# Altium PCB HEXCORE PCB.PcbDoc (part 2 of 2)
Units mil, origin at the board's own origin, x right, y up, seen from the top; angles counter-clockwise.
Board outline 3900 x 3400 mil, 4 copper layers (Top Layer, Int1 (GND), Int2 (PWR), Bottom Layer), stack 62.449 mil thick; 118 components, 104 nets, 517 pads, 205 vias.
Unrouted connection lines stored in the file: 8.
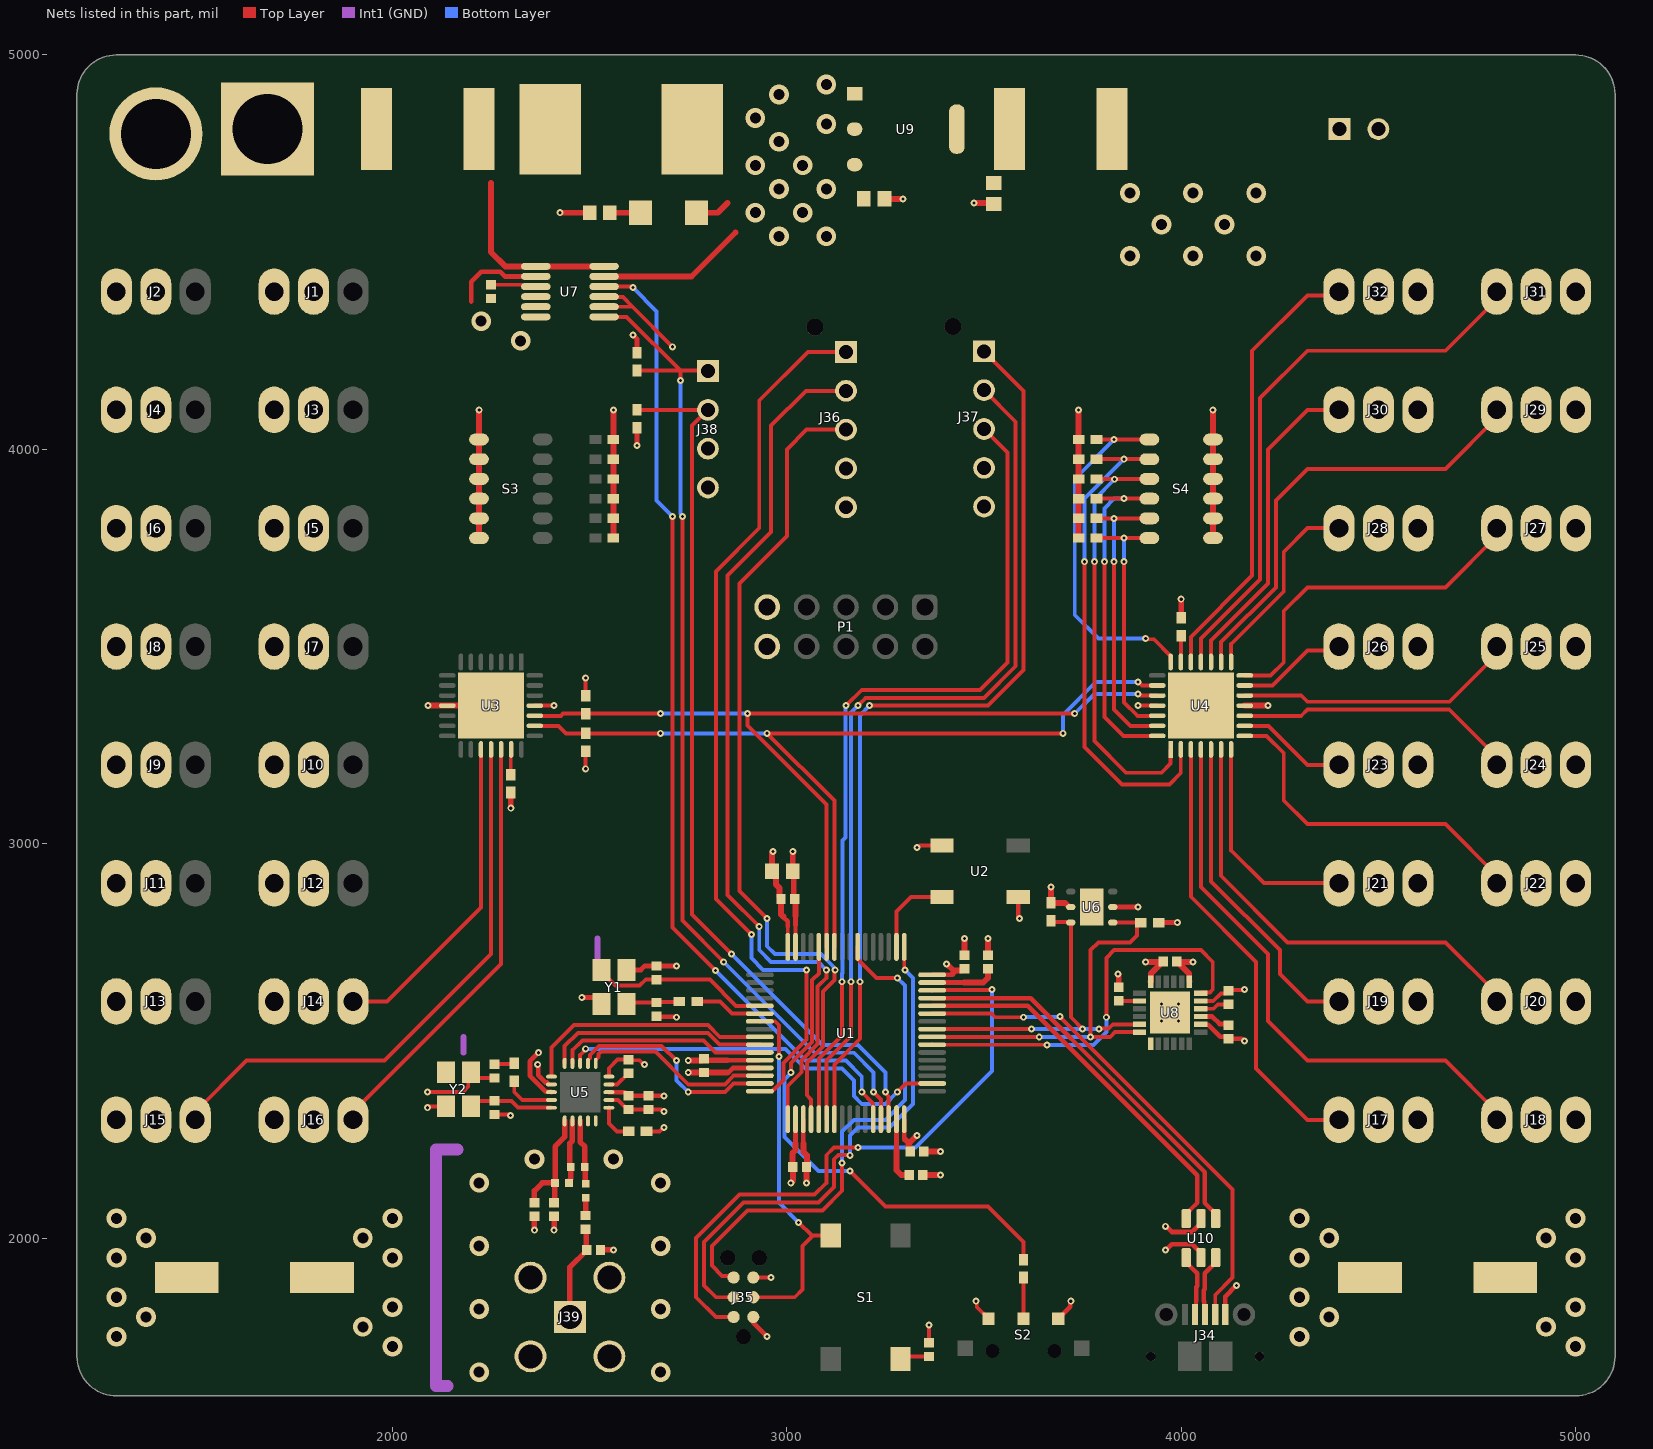
[diagram p4: the nets of this part, all layers, seen from the top]

## Via types
v1: diameter 17.72, hole 7.87, Top Layer to Bottom Layer, 140 vias
v2: diameter 50, hole 28, Top Layer to Bottom Layer, 57 vias
v3: diameter 19.68, hole 7.87, Top Layer to Bottom Layer, 8 vias

## Nets (pads, with @x,y where several pads share a name; then routed paths per layer and width w, separated by ;. In a path a pad name is that pad's centre, name@x,y a point inside that pad or via, vN(x,y) a via of type N, cw(c..) or ccw(c..) an arc to the next point about the centre after c; other vN are vias at no path point) (continued)
1SERVO13: J14.1 U3.17 | length 823.8
  Top Layer w10: J14.1@1900,2600 1985.74,2600 2224.41,2838.67 U3.17@2224.41,3239.15
1SERVO14: J15.1 U3.18 | length 1454.7
  Top Layer w10: J15.1@1500,2300 1500,2319.68 1630.32,2450 1980,2450 2250,2720 U3.18@2250,3239.15
1SERVO15: J16.1 U3.19 | length 1094.7
  Top Layer w10: J16.1@1900,2300 1900,2319.68 2275.59,2695.28 U3.19@2275.59,3239.15
2A0: R16.1 S4.12 U4.26 | length 649.2
  Top Layer w10: R16.1@3785,3775 v1(3855,3775) S4.12@3919.29,3775 ; v1(3855,3715) 3855,3358.33 3888.92,3324.41 U4.26@3939.15,3324.41
  Bottom Layer w10: v1(3855,3715) v1(3855,3775)
2A1: R17.1 S4.11 U4.27 | length 745.5
  Top Layer w10: R17.1@3785,3825 v1(3830,3825) S4.11@3919.29,3825 ; v1(3830,3715) 3830,3340 3871.18,3298.82 U4.27@3939.15,3298.82
  Bottom Layer w10: v1(3830,3715) v1(3830,3825)
2A2: R18.1 S4.10 U4.28 | length 877.3
  Top Layer w10: R18.1@3785,3875 v1(3855,3875) S4.10@3919.29,3875 ; v1(3805,3715) 3805,3321.46 3853.23,3273.23 U4.28@3939.15,3273.23
  Bottom Layer w10: v1(3805,3715) 3805,3850 3830,3875 v1(3855,3875)
2A3: R19.1 S4.9 U4.1 | length 1092.6
  Top Layer w10: v1(3780,3715) 3780,3260 3860,3180 3950,3180 3973.23,3203.23 U4.1@3973.23,3239.15 ; R19.1@3785,3925 3785.42,3924.58 3830.42,3924.58 v1(3830.83,3924.17) ; v1@3830,3925 S4.9@3919.29,3925
  Bottom Layer w10: v1(3780,3715) 3780,3873.33 v1(3830.83,3924.17)
2A4: R20.1 S4.8 U4.2 | length 1261.2
  Top Layer w10: v1(3755,3715) 3755,3245 3850,3150 3970,3150 3998.82,3178.82 U4.2@3998.82,3239.15 ; R20.1@3785,3975 v1(3855,3975) S4.8@3919.29,3975
  Bottom Layer w10: v1(3755,3715) 3755,3875 v1(3855,3975)
2A5: R26.1 S4.7 U4.21 | length 922.4
  Top Layer w10: R26.1@3785,4025 v1(3830,4025) S4.7@3919.29,4025 ; v1(3910,3520) 3911.48,3518.52 3931.08,3518.52 3973.23,3476.37 U4.21@3973.23,3460.85
  Bottom Layer w10: v1(3830,4025) 3730,3925 3730,3580 3790,3520 v1(3910,3520)
2SERVO0: J17.1 U4.3 | length 1141.6
  Top Layer w10: U4.3@4024.41,3239.15 4024.41,2865.59 4190,2700 4190,2430 4320,2300 J17.1@4400,2300
2SERVO1: J18.1 U4.4 | length 1454.7
  Top Layer w10: U4.4@4050,3239.15 4050,2890 4220,2720 4220,2550 4320,2450 4669.69,2450 4800,2319.68 J18.1@4800,2300
2SERVO2: J19.1 U4.5 | length 820.4
  Top Layer w10: U4.5@4075.59,3239.15 4075.59,2904.41 4250,2730 4250,2670 4320,2600 J19.1@4400,2600
2SERVO3: J20.1 U4.6 | length 1162.7
  Top Layer w10: U4.6@4101.18,3239.15 4101.18,2918.82 4270,2750 4669.69,2750 4800,2619.68 J20.1@4800,2600
2SERVO4: J21.1 U4.7 | length 563.6
  Top Layer w10: U4.7@4126.77,3239.15 4126.77,2983.23 4210,2900 J21.1@4400,2900
2SERVO5: J22.1 U4.8 | length 875.6
  Top Layer w10: U4.8@4160.85,3273.23 4216.77,3273.23 4260,3230 4260,3110 4320,3050 4669.69,3050 4800,2919.68 J22.1@4800,2900
2SERVO6: J23.1 U4.9 | length 280.1
  Top Layer w10: U4.9@4160.85,3298.82 4221.18,3298.82 4320,3200 J23.1@4400,3200
2SERVO7: J24.1 U4.10 | length 715.1
  Top Layer w10: U4.10@4160.85,3324.41 4304.41,3324.41 4320.01,3340.01 4679.68,3340.01 4800,3219.68 J24.1@4800,3200
2SERVO8: J25.1 U4.12 | length 715.3
  Top Layer w10: U4.12@4160.85,3375.59 4304.41,3375.59 4320,3360 4680,3360 4800,3480 J25.1@4800,3500
2SERVO9: J26.1 U4.13 | length 280.1
  Top Layer w10: U4.13@4160.85,3401.18 4231.18,3401.18 4320,3490 4390,3490 J26.1@4400,3500
2SERVO10: J27.1 U4.14 | length 881.4
  Top Layer w10: U4.14@4160.85,3426.77 4226.77,3426.77 4260,3460 4260,3590 4320,3650 4669.69,3650 4800,3780.32 J27.1@4800,3800
2SERVO11: J28.1 U4.15 | length 499.2
  Top Layer w10: U4.15@4126.77,3460.85 4126.77,3506.77 4260,3640 4260,3740 4320,3800 J28.1@4400,3800
2SERVO12: J29.1 U4.16 | length 1133.5
  Top Layer w10: U4.16@4101.18,3460.85 4101.18,3511.18 4240,3650 4240,3870 4320,3950 4669.69,3950 4800,4080.32 J29.1@4800,4100
2SERVO13: J30.1 U4.17 | length 820.4
  Top Layer w10: U4.17@4075.59,3460.85 4075.59,3515.59 4220,3660 4220,4000 4320,4100 J30.1@4400,4100
2SERVO14: J31.1 U4.18 | length 1454.7
  Top Layer w10: U4.18@4050,3460.85 4050,3520 4200,3670 4200,4130 4320,4250 4669.69,4250 4800,4380.31 J31.1@4800,4400
2SERVO15: J32.1 U4.19 | length 1135.7
  Top Layer w10: U4.19@4024.41,3460.85 4024.41,3524.41 4180,3680 4180,4250 4320,4390 4390,4390 J32.1@4400,4400
+3V3: C12.2 C13.2 C17.2 C19.2 C22.2 C23.2 C24.2 C25.2 C26.2 C27.2 F2.1 J35.1 J36.4 J37.4 J38.3 J40.1 P1.10 R2.1 R3.2 R4.1 R5.2 R6.1 R7.2 S2.3 S3.1 S3.2 S3.3 S3.4 S3.5 S3.6 S4.1 S4.2 S4.3 S4.4 S4.5 S4.6 U1.13 U1.19 U1.32 U1.48 U1.64 U2.1 U3.25 U4.25 U5.7 U5.15 U5.18 U6.5 U8.8 U8.13 U10.5 | length 2656.7
  Top Layer w10: U3.25@2360.85,3350 v1(2410,3350) ; v1(2490,3190) R3.2@2490,3234.72 ; R2.1@2490,3375.28 v1(2490,3420) ; 3002,2790 3002.36,2789.64 U1.64@3002.36,2738.5 ; C23.2@3312.68,2220 C23.2@3312.68,2220.79 ; v1(3890,3350) U4.25@3939.15,3350
  Top Layer w12: v1(2368.31,2440) 2369.4,2438.91 2369.4,2413.17 2388.13,2394.45 2391.7,2394.45 U5.7@2395.39,2390.76 ; U5.18@2548.83,2370 2588.68,2370 2598.05,2360.63 C12.2@2598.83,2360.63 C13.2@2648.83,2360.63 v1(2688.83,2360.63) ; v1(2610,4290) 2620,4279.96 R5.2@2620,4245.28 ; v1(2620,4010) R4.1@2620,4054.72 ; 2850,2420 2852.12,2420 2863.54,2431.42 U1.13@2931.5,2431.42 ; J35.1@2915,1800 2915,1785 v1(2950,1750) ; 2991,2815 2991,2814 3002,2803 3002,2790 ; U1.19@3041.73,2301.5 3041.73,2240.27 3042,2240 ; U1.32@3297.64,2301.5 3297.64,2252.36 3300,2250 ; U1.48@3368.5,2667.64 3417.64,2667.64 3420,2670 ; U2.1@3586.46,2865.04 3586.46,2815.09 3590,2811.55 v1(3590,2810) ; S2.3@3688.58,1795.67 3718.91,1825.99 3718.91,1838.91 v1(3720,1840) ; R6.1@3942.64,2800 v1(3990,2800) ; v1(3960,2030) 3961.55,2030 3975.96,2015.59 4028.39,2015.59 4050,2037.2 U10.5@4050,2049.41 ; U8.8@4049.41,2542.13 4050.3,2541.24 4068.76,2541.24 4099.39,2510.61 4114.74,2510.61 C17.2@4120,2505.35 4153.1,2505.35 4158.45,2500 v1(4160,2500)
  Top Layer w15: S3.6@2219.29,3775 S3.5@2219.29,3825 S3.4@2219.29,3875 S3.3@2219.29,3925 S3.2@2219.29,3975 S3.1@2219.29,4025 2219.65,4025.35 2219.65,4099.65 v1(2220,4100) ; v1(2750,2420) C24.2@2790,2420 2850,2420 ; v1(2965,2980) 2965,2979.26 2961.85,2976.12 C27.2@2961.85,2930 2972.07,2919.78 2972.07,2896.93 2981.04,2887.96 2981.04,2864.31 C25.2@2985.35,2860 2985.35,2820.65 2991,2815 ; 3042,2240 3042,2219 3051,2210 3051,2181 C22.2@3050,2180 v1(3050,2140) ; 3300,2250 3308.37,2241.63 ; C23.2@3312.68,2220 3308.37,2224.31 3308.37,2241.63 ; v1(3330,2260) 3329.26,2260 3310.9,2241.63 3308.37,2241.63 ; v1(3405,2695) 3405.74,2695 3422.37,2678.37 3428.37,2678.37 ; 3420,2670 3428.37,2678.37 ; C26.2@3450,2682.68 3445.69,2678.37 3428.37,2678.37 ; v1(3670,2890) R7.2@3670,2850 3705.23,2850 3715.86,2839.37 U6.5@3720,2839.37 ; C19.2@3988.98,2701.65 3988.98,2700.87 C19.2@3989.32,2700.52 ; U8.13@4020.87,2650.39 4020.26,2651 4020.26,2670.22 3993.92,2696.55 3993.29,2696.55 C19.2@3989.32,2700.52 ; v1(4030,2700) 4029.48,2700.52 C19.2@3989.32,2700.52 ; v1(4080,4100) 4080.35,4099.65 4080.35,4025.35 S4.6@4080.71,4025 S4.5@4080.71,3975 S4.4@4080.71,3925 S4.3@4080.71,3875 S4.2@4080.71,3825 S4.1@4080.71,3775
  other v2: 3870,4490 4030,4490 4190,4490 3950,4570 4110,4570 3870,4650 4030,4650 4190,4650
+7V2: C20.2 C28.2 C29.2 D1.1 J1.2 J2.2 J3.2 J4.2 J5.2 J6.2 J7.2 J8.2 J9.2 J10.2 J11.2 J12.2 J13.2 J14.2 J15.2 J16.2 J17.2 J18.2 J19.2 J20.2 J21.2 J22.2 J23.2 J24.2 J25.2 J26.2 J27.2 J28.2 J29.2 J30.2 J31.2 J32.2 R24.1 U7.11 U9.3 | length 469.1
  Top Layer w15: U7.11@2536.61,4438.39 2758.39,4438.39 2870,4550 ; D1.1@2770.87,4600 2825,4600 2850,4625
  other v2: 5000,1725 1300,1750 4925,1775 1375,1800 5000,1825 1300,1850 1300,1950 5000,1950 1375,2000 4925,2000 1300,2050 5000,2050 2980,4540 3100,4540 2920,4600 3040,4600 2980,4660 3100,4660 2920,4720 3040,4720 2980,4780 2920,4840 2980,4900
GND: C1.2 C2.2 C3.2 C4.1 C5.1 C7.1 C8.1 C9.1 C10.2 C11.2 C12.1 C13.1 C14.1 C15.1 C16.1 C17.1 C18.1 C19.1 C20.1 C21.1 C22.1 C23.1 C24.1 C25.1 C26.1 C27.1 C28.1 C29.1 J1.3 J2.3 J3.3 J4.3 J5.3 J6.3 J7.3 J8.3 J9.3 J10.3 J11.3 J12.3 J13.3 J14.3 J15.3 J16.3 J17.3 J18.3 J19.3 J20.3 J21.3 J22.3 J23.3 J24.3 J25.3 J26.3 J27.3 J28.3 J29.3 J30.3 J31.3 J32.3 J33.2 J34.5 J35.5 J36.5 J37.5 J38.4 J39.2 J39.3 J39.4 J39.5 J40.2 P1.9 R9.2 R10.2 R11.2 R12.2 R13.2 R14.2 R15.2 R16.2 R17.2 R18.2 R19.2 R20.2 R21.2 R23.2 R25.2 R26.2 S2.1 U1.12 U1.18 U1.63 U2.3 U3.11 U3.29 U4.11 U4.29 U5.8 U5.14 U5.17 U5.20 U6.2 U6.7 U7.2 U7.4 U7.5 U7.6 U8.1 U8.9 U8.11 U8.18 U8.25 U9.1 U10.2 Y1.2 Y1.4 Y2.2 Y2.4 | length 4859.2
  Top Layer w10: v1(2088.83,2330.63) 2090.92,2330.63 2094.31,2334.02 Y2.2@2135.84,2334.02 ; v1(2088.83,2370.63) 2178.83,2370.63 2192.13,2383.93 2192.13,2413.93 Y2.4@2198.83,2420.63 2213.48,2405.98 C11.2@2258.83,2405.98 ; C10.2@2258.83,2313.31 2294.07,2313.31 2296.75,2310.63 v1(2298.83,2310.63) ; U5.8@2403.09,2370.08 U5.8@2403.17,2370 ; U5.17@2548.83,2350.31 2572.01,2350.31 2589.53,2332.8 2592.02,2332.8 C12.1@2598.83,2325.98 C13.1@2648.83,2325.98 2681.39,2325.98 2686.75,2320.63 v1(2688.83,2320.63) ; U5.20@2548.83,2409.37 2548.83,2430.63 2570.8,2452.6 C14.1@2598.83,2452.6 2600.49,2450.94 2626.43,2450.94 2636.75,2440.63 v1(2638.83,2440.63) ; R23.2@2644.11,2270.63 2676.75,2270.63 2686.75,2280.63 v1(2688.83,2280.63) ; J35.5@2915,1900 v1(2960,1900) ; 3022,2793 3022.05,2792.95 U1.63@3022.05,2738.5 ; v1(3330,2990) 3332.09,2990 3337.05,2994.96 U2.3@3393.54,2994.96 ; C3.2@3360,1734.65 v1(3360,1780) ; v1(3480,1840) 3481.48,1838.52 3481.48,1825.61 S2.1@3511.42,1795.67 ; U8.11@4049.41,2601.18 4081.14,2601.18 4100.47,2620.51 4113.19,2620.51 C16.1@4120,2627.32 4121.34,2628.66 4158.66,2628.66 v1(4160,2630)
  Top Layer w12: 2200,4375 2200,4425 2225,4450 2273.13,4450 2284.74,4438.39 U7.2@2363.39,4438.39 ; v1(2370,2470) 2348.45,2448.45 2348.45,2411.5 2388.87,2371.08 2402.09,2371.08 U5.8@2403.09,2370.08 ; v1(2480,2610) 2513.39,2610 Y1.4@2530,2593.39 ; Y1.2@2592.99,2680 2630,2680 2640,2690 C1.2@2670,2690 v1(2720,2690) ; C2.2@2670,2562.68 2671.58,2561.09 2718.91,2561.09 v1(2720,2560) ; 2850,2451 2850.1,2451.1 U1.12@2931.5,2451.1 ; 3022,2240 3022.05,2240.05 U1.18@3022.05,2301.5 ; 3022,2793 3022,2817 ; U6.2@3826.3,2839.37 3826.61,2839.69 3889.69,2839.69 v1(3890,2840) ; v1(3960,1970) 3961.55,1970 3975.96,1984.41 4028.39,1984.41 4050,1962.8 U10.2@4050,1950.59 ; U8.9@4049.41,2561.81 4078.19,2561.81 4097.07,2542.93 4116.28,2542.93 C17.1@4119.21,2540 ; J34.5@4111.81,1806.3 4111.81,1851.81 v1(4140,1880)
  Top Layer w13.72: v1(2360,2020) C9.1@2360,2055.35 ; v1(2410,2020) C8.1@2410,2055.35 ; C7.1@2527.32,1970 v1(2560,1970)
  Top Layer w15: v1(2090,3350) U3.11@2139.15,3350 U3.29@2250,3350 ; v1(2300,3090) R15.2@2300,3129.72 ; v1(2425,4600) R25.2@2500,4600 ; v1(2560,4100) 2560.14,4099.86 2560.14,4025.14 R9.2@2560.28,4025 R10.2@2560.28,3975 R11.2@2560.28,3925 R12.2@2560.28,3875 R13.2@2560.28,3825 R14.2@2560.28,3775 ; v1(2750,2450) 2750.52,2450.52 2784.9,2450.52 2787.55,2453.17 2787.55,2457.09 C24.1@2790,2454.65 2793.65,2451 2850,2451 ; v1(3010,2140) 3010,2140.74 3015.35,2146.09 C22.1@3015.35,2180 3014,2181.35 3014,2215 3022,2223 3022,2240 ; v1(3015,2980) C27.1@3015,2930 3017.5,2927.5 3017.5,2862.5 C25.1@3020,2860 3022,2858 3022,2817 ; C20.1@3248.15,4635 v1(3295,4635) ; C5.1@3345.98,2161.34 C5.1@3344.65,2160 v1(3390,2160) ; C23.1@3345.98,2218.66 C23.1@3347.32,2220 v1(3390,2220) ; C26.1@3450,2717.32 v1(3450,2760) ; v1(3475,4625) 3475.52,4624.48 3522.37,4624.48 C21.1@3525,4621.85 ; C4.1@3510,2717.32 v1(3510,2760) ; R16.2@3739.72,3775 R17.2@3739.72,3825 R18.2@3739.72,3875 R19.2@3739.72,3925 R20.2@3739.72,3975 R26.2@3739.72,4025 3739.86,4025.14 3739.86,4099.86 v1(3740,4100) ; v1(3840,2670) 3840,2669.26 3841.65,2667.61 C18.1@3841.65,2636.3 ; v1(3910,2700) 3910.52,2700.52 3953.2,2700.52 C19.1@3954.33,2701.65 3954.33,2700.87 3950.02,2696.55 3949.39,2696.55 3923.05,2670.22 3923.05,2651 U8.18@3922.44,2650.39 ; R21.2@4000,3572.64 v1(4000,3620) ; U4.11@4160.85,3350 v1(4220,3350)
  Int1 (GND) w15: 2180,2470 2180,2510 ; 2520,2700 2520,2760
  Int1 (GND) w30: 2140,1625 2110,1625 2110,2225 2165,2225
  other v2: 2220,1660 2680,1660 2000,1725 4300,1750 1925,1775 4375,1800 2220,1820 2680,1820 2000,1825 4300,1850 2000,1950 4300,1950 2220,1980 2680,1980 1925,2000 4375,2000 2000,2050 4300,2050 2220,2140 2680,2140 2360,2200 2560,2200 2325,4275 2225,4325 3100,4825 3100,4925
  other v3: 3950,2550 3993.31,2550 3950,2593.31 3993.31,2593.31
"I2C1 SCL": R3.1 U1.58 U3.23 U4.23 | length 2283
  Top Layer w10: U3.23@2360.85,3298.82 2421.18,3298.82 2440,3280 R3.1@2490,3280 v1(2680,3280) ; U1.58@3120.47,2738.5 3120.47,3109.53 v1(2950,3280) v1(3700,3280) ; v1(3890,3410) 3892.09,3410 3900.91,3401.18 U4.23@3939.15,3401.18
  Bottom Layer w10: v1(2680,3280) v1(2950,3280) ; v1(3700,3280) 3700,3326.67 3783.33,3410 v1(3890,3410)
"I2C1 SDA": R2.2 U1.59 U3.24 U4.24 | length 2277.8
  Top Layer w10: U3.24@2360.85,3324.41 2427.19,3324.41 2432.78,3330 R2.2@2490,3330 v1(2680,3330) ; U1.59@3100.79,2738.5 3100.79,3099.21 2900,3300 v1(2900,3330) v1(3730,3330) ; v1(3890,3380) 3892.09,3380 3896.5,3375.59 U4.24@3939.15,3375.59
  Bottom Layer w10: v1(2680,3330) v1(2900,3330) ; v1(3730,3330) 3780,3380 v1(3890,3380)
"I2C2 SCL": J38.1 R5.1 U1.29 U7.7 | length 2601.5
  Top Layer w10: U7.7@2536.61,4336.02 2593.98,4336.02 2730,4200 ; R5.1@2620,4200 2730,4200 ; v1(2730,4175) 2730,4200 ; v1(2735,3830) 2735,2805 v1(2840,2700) ; J38.1@2800,4198.43 2798.43,4200 2730,4200 ; J38.1@2820.67,4197.64 J38.1@2823.03,4200 ; v1(3220,2370) 3238.58,2351.42 U1.29@3238.58,2301.5
  Bottom Layer w10: v1(2730,4175) 2730,3837.09 2735,3832.09 v1(2735,3830) ; v1(2840,2700) 3070,2470 3170,2470 3220,2420 v1(3220,2370)
"I2C2 SDA": J38.2 R4.2 U1.30 U7.8 U7.9 | length 2552
  Top Layer w10: U7.8@2536.61,4361.61 2608.39,4361.61 ; U7.9@2536.61,4387.2 2538.09,4385.73 2584.27,4385.73 2608.39,4361.61 ; R4.2@2620,4100 J38.2@2800,4100 2760,4060 2760,2820 v1(2860,2720) ; v1(2710,4260) 2608.39,4361.61 ; v1(3250,2370) 3250,2367.91 3258.27,2359.64 U1.30@3258.27,2301.5
  Bottom Layer w10: v1(2860,2720) 3090,2490 3180,2490 3250,2420 v1(3250,2370)
"I2C3 SCL": R7.1 U1.41 U6.6 U8.23 | length 864.9
  Top Layer w10: U1.41@3368.5,2529.84 3368.58,2529.92 3619.92,2529.92 v1(3620,2530) ; R7.1@3670,2804.72 3673.62,2801.1 3718.9,2801.1 U6.6@3720,2800 3720,2560 v1(3750,2530) ; v1(3791.33,2530) 3792.27,2530.94 3815.19,2530.94 3826.38,2542.13 U8.23@3893.9,2542.13
  Bottom Layer w10: v1(3620,2530) v1(3791.33,2530)
"I2C3 SDA": R6.2 U1.40 U6.1 U8.24 | length 993
  Top Layer w10: U1.40@3368.5,2510.16 3368.58,2510.08 3639.92,2510.08 v1(3640,2510) ; U6.1@3826.3,2800 R6.2@3897.36,2800 3894.41,2800 3887.6,2793.19 3887.6,2767.6 3870,2750 3790,2750 3770,2730 v1(3770,2510) 3820,2510 3832.44,2522.44 U8.24@3893.9,2522.44
  Bottom Layer w10: v1(3640,2510) v1(3770,2510)
"IMU ADR1": C15.2 U7.3 | length 115.3
  Top Layer w10: C15.2@2250,4417.32 2328.23,4417.32 2332.75,4412.8 U7.3@2363.39,4412.8
"IMU CPOUT": C18.2 U8.20 | length 52.4
  Top Layer w10: C18.2@3841.65,2601.65 3841.89,2601.42 3893.66,2601.42 U8.20@3893.9,2601.18
"IMU INT": U1.39 U8.12 | length 1038.2
  Top Layer w10: U1.39@3368.5,2490.47 3368.74,2490.24 3659.76,2490.24 v1(3660,2490) ; v1(3810,2560) 3810,2710 3830,2730 4050,2730 4080,2700 4080,2630 4072.76,2622.76 4051.3,2622.76 U8.12@4049.41,2620.87
  Bottom Layer w10: v1(3660,2490) 3778,2490 3810.19,2522.19 3810.19,2559.81 v1(3810,2560)
"IMU REGOUT": C16.2 U8.10 | length 75.2
  Top Layer w10: U8.10@4049.41,2581.5 4081.5,2581.5 4092.68,2592.68 C16.2@4120,2592.68
"MCU BOOT0": R8.1 U1.60 | length 1279.5
  Top Layer w10: v1(3010,2420) 3010.33,2420.33 3010.33,2443.86 3064,2497.53 3064,2654 3081.1,2671.1 U1.60@3081.1,2738.5 ; v1(3160,2170) 3250,2080 3510,2080 3600,1990 R8.1@3600,1945.28
  Bottom Layer w10: v1(3010,2420) 3010,2418.26 2994,2402.26 2994,2256 3080,2170 v1(3160,2170)
"MCU OSC IN": C1.1 U1.5 Y1.3 | length 454.8
  Top Layer w10: Y1.3@2530,2680 2530,2675.08 2565.08,2640 2626.93,2640 2642.28,2655.35 C1.1@2670,2655.35 2804.65,2655.35 2871.1,2588.9 U1.5@2931.5,2588.9
"MCU OSC OUT": R1.1 U1.6 | length 171.6
  Top Layer w10: R1.1@2772.64,2600 2830,2600 2860.79,2569.21 U1.6@2931.5,2569.21
"MCU VCAP1": C5.2 U1.31 | length 166.5
  Top Layer w12: U1.31@3277.95,2301.5 3278,2301.45 3278,2221
  Top Layer w15: 3278,2221 3277.95,2220.95 3277.95,2172.05 3290,2160 C5.2@3310,2160
"MCU VCAP2": C4.2 U1.47 | length 169.2
  Top Layer w12: U1.47@3368.5,2647.95 3448.95,2647.95 3449,2648
  Top Layer w15: 3449,2648 3498,2648 3510,2660 C4.2@3510,2682.68
MCU_NRST: J35.3 S1.3 U1.7 | length 954.3
  Top Layer w10: J35.3@2915,1850 3020,1850 3040,1870 3040,1980 3066.5,2006.5 ; U1.7@2931.5,2549.53 2931.84,2549.87 2969.87,2549.87 2980,2539.75 v1(2980,2460) ; v1(3030,2040) 3063.5,2006.5 3066.5,2006.5 ; S1.3@3111.42,2011.42 S1.3@3111.42,2006.5 3066.5,2006.5
  Bottom Layer w10: v1(2980,2460) 2980,2130 2980,2090 v1(3030,2040)
NetC3_1: C3.1 S1.2 | length 74.1
  Top Layer w10: S1.2@3288.58,1693.5 3295.08,1700 C3.1@3360,1700
NetC6_1: C6.1 C7.2 J39.1 | length 241.5
  Top Layer w13.72: J39.1@2450,1800 2450,1926.54 2492.68,1969.21 C7.2@2492.68,1970 2491.34,1971.34 2491.34,2021.34 C6.1@2490,2022.68
NetC6_2: C6.2 L1.2 | length 45
  Top Layer w13.72: C6.2@2490,2057.32 L1.2@2490,2102.28
NetC11_1: C11.1 R22.1 Y2.1 | length 51.1
  Top Layer w10: C11.1@2258.83,2440.63 2260.15,2441.95 2307.52,2441.95 R22.1@2308.83,2443.27
NetC21_2: C21.2 F2.2 U9.2 U9.4
NetD1_2: D1.2 R25.1 | length 78
  Top Layer w15: R25.1@2551.18,4600 D1.2@2629.13,4600
NetF1_2: F1.2 J33.1
NetR8_2: R8.2 S2.2 | length 107.8
  Top Layer w10: S2.2@3600,1795.67 R8.2@3600,1900
  Top Layer w12: R8.2@3597.52,1902.48 R8.2@3600,1900
"NRF ANT1": L2.1 L3.1 U5.12 | length 162.6
  Top Layer w13.72: L3.1@2447.72,2140 2450.7,2142.98 2450.7,2148.95 2452.28,2150.53 L2.1@2452.28,2180 2450,2182.28 2450,2240 2456.31,2246.31 U5.12@2456.31,2297.17
"NRF ANT2": L1.1 L2.2 U5.13 | length 165.2
  Top Layer w13.72: U5.13@2476,2297.17 2476,2244 2487.72,2232.28 L2.2@2487.72,2180 2488.86,2178.86 2488.86,2138.86 L1.1@2490,2137.72
"NRF CE": U1.14 U5.1 | length 472.9
  Top Layer w10: U5.1@2515.45,2451.61 2522.81,2458.97 2522.81,2466.34 2529.88,2473.41 2666.59,2473.41 2750,2390 2843.33,2390 2865.07,2411.73 U1.14@2931.5,2411.73
"NRF CSN": U1.15 U5.2 | length 542
  Top Layer w10: U5.2@2495.76,2451.61 2501.37,2457.22 2501.37,2464.7 2524.08,2487.41 2682.59,2487.41 v1(2720,2450) ; v1(2750,2370) 2843.13,2370 2865.18,2392.05 U1.15@2931.5,2392.05
  Bottom Layer w10: v1(2720,2450) 2720,2400 v1(2750,2370)
"NRF DVDD": C14.2 U5.19 | length 61.7
  Top Layer w10: U5.19@2548.83,2389.68 2548.91,2389.76 2569.86,2389.76 2598.05,2417.95 C14.2@2598.83,2417.95
"NRF INT": U1.9 U5.6 | length 638
  Top Layer w10: U5.6@2403.17,2409.37 2403.17,2483.17 2460,2540 2800,2540 2829.84,2510.16 U1.9@2931.5,2510.16
"NRF IREF": R23.1 U5.16 | length 98.3
  Top Layer w10: U5.16@2548.83,2330.63 2548.83,2290.63 2568.83,2270.63 R23.1@2598.83,2270.63
"NRF PA": C8.2 C9.2 L3.2 U5.11 | length 308.8
  Top Layer w13.72: C9.2@2360,2090 2360,2120 2380,2140 L3.2@2412.28,2140 ; C8.2@2410,2090 2411.14,2091.14 2411.14,2138.86 L3.2@2412.28,2140 ; U5.11@2436.63,2297.17 2436.63,2256.63 2412.28,2232.28 L3.2@2412.28,2140
"NRF XC1": C10.1 U5.10 Y2.3 | length 217.3
  Top Layer w10: Y2.3@2198.83,2334.02 2212.77,2347.95 C10.1@2258.83,2347.95 2301.51,2347.95 2318.83,2330.63 U5.10@2403.17,2330.63
"NRF XC2": R22.2 U5.9 | length 130.1
  Top Layer w10: R22.2@2308.83,2397.99 2308.83,2370.63 2329.15,2350.31 U5.9@2403.17,2350.31
"OSC RES": C2.1 R1.2 Y1.1 | length 137.1
  Top Layer w10: Y1.1@2592.99,2593.39 2596.93,2597.32 C2.1@2670,2597.32 2671.34,2598.66 2726.02,2598.66 R1.2@2727.36,2600
"PCA1 OE": R15.1 U3.20 | length 64.6
  Top Layer w10: R15.1@2300,3175 2300,3222.04 2301.18,3223.22 U3.20@2301.18,3239.15
"PCA2 OE": R21.1 U4.20 | length 67
  Top Layer w10: U4.20@3998.82,3460.85 3999.11,3461.14 3999.11,3526.47 R21.1@4000,3527.36
"PWR INT": U1.28 U7.10 | length 2495.5
  Top Layer w10: U7.10@2536.61,4412.8 2605.12,4412.8 2607.91,4410 v1(2610,4410) ; v1(2710,3830) 2710,2787.13 v1(2818.68,2678.45) ; v1(3190,2370) 3218.55,2341.45 3218.55,2301.84 U1.28@3218.9,2301.5
  Bottom Layer w10: v1(2610,4410) 2670,4350 2670,3870 v1(2710,3830) ; v1(2818.68,2678.45) 3047.13,2450 3150,2450 3190,2410 v1(3190,2370)
"PWR MON": F1.1 R24.2 U7.1 U7.12 | length 476.5
  Top Layer w15: 2250,4675 2250,4500 2286.02,4463.98 U7.1@2363.39,4463.98 U7.12@2536.61,4463.98
"SPI1 MISO": J37.2 U1.22 | length 2255.9
  Top Layer w10: U1.22@3100.79,2301.5 3100.79,2450.79 3162.72,2512.72 v1(3162.72,2650) ; v1(3180,3350) 3200,3370 3500,3370 3580,3450 3580,4070 J37.2@3500,4150
  Bottom Layer w10: v1(3162.72,2650) 3162.72,3332.72 v1(3180,3350)
"SPI1 MOSI": J37.1 U1.23 | length 2362.7
  Top Layer w10: U1.23@3120.47,2301.5 3120.47,2440.47 3185.43,2505.43 v1(3185.43,2650) ; v1(3210,3350) 3510,3350 3600,3440 3600,4148.43 J37.1@3500,4248.43
  Bottom Layer w10: v1(3185.43,2650) 3185.43,3325.43 v1(3210,3350)
"SPI1 SCK": J37.3 U1.21 | length 2149
  Top Layer w10: U1.21@3081.1,2301.5 3081.1,2455.24 3140,2514.13 v1(3140,2650) ; v1(3150,3350) 3190,3390 3490,3390 3560,3460 3560,3991.57 J37.3@3500,4051.57
  Bottom Layer w10: v1(3140,2650) 3140,2670.61 3141.57,2672.19 3141.57,3008.52 3148.72,3015.67 3148.72,3348.72 v1(3150,3350)
"SPI2 MISO": U1.10 U5.5 | length 564.7
  Top Layer w10: U5.5@2436.63,2442.83 2436.71,2442.91 2436.71,2486.71 2470,2520 2800,2520 2829.53,2490.47 U1.10@2931.5,2490.47
"SPI2 MOSI": U1.11 U5.4 | length 531.7
  Top Layer w10: U5.4@2456.31,2442.83 2456.39,2442.91 2456.39,2476.39 2481.41,2501.41 2788.59,2501.41 2819.21,2470.79 U1.11@2931.5,2470.79
"SPI2 SCK": U1.34 U5.3 | length 1024.4
  Top Layer w10: U5.3@2476,2442.83 2476.08,2442.91 2476.08,2463.99 2490,2477.91 v1(2490,2480) ; v1(3280,2370) 3302.05,2392.05 U1.34@3368.5,2392.05
  Bottom Layer w10: v1(2490,2480) 2996.67,2480 3046.67,2430 3140,2430 3170,2400 3170,2360 3190,2340 3250,2340 v1(3280,2370)
"STATUS LED": U1.50 U2.4 | length 220.4
  Top Layer w10: U1.50@3277.95,2738.5 3277.95,2827.95 3315.04,2865.04 U2.4@3393.54,2865.04
SWCLK: J35.4 U1.49 | length 1351.4
  Top Layer w10: J35.4@2865,1850 2820,1850 2790,1880 2790,1990 2890,2090 3080,2090 3120,2130 3120,2200 3131.14,2211.14 3158.86,2211.14 v1(3160,2210) ; U1.49@3297.64,2738.5 3297.64,2684.45 3300,2682.09 v1(3300,2680)
  Bottom Layer w10: v1(3160,2210) 3160,2260 3180,2280 3260,2280 3320,2340 3320,2660 v1(3300,2680)
SWDIO: J35.2 U1.46 | length 1590.9
  Top Layer w10: J35.2@2865,1800 2820,1800 2770,1850 2770,2000 2880,2110 3070,2110 3100,2140 3100,2210 3120,2230 v1(3180,2230) ; U1.46@3368.5,2628.27 3368.85,2628.61 3518.61,2628.61 v1(3520,2630)
  Bottom Layer w10: v1(3180,2230) 3326.67,2230 3520,2423.33 v1(3520,2630)
SWO: J35.6 U1.55 | length 1317.9
  Top Layer w10: J35.6@2865,1900 2860.98,1904.02 2835.98,1904.02 2810,1930 2810,1980 2900,2070 3090,2070 3140,2120 v1(3140,2190) ; U1.55@3179.53,2738.5 3179.53,2708.49 3184.31,2703.71 3184.31,2702.8 3227.11,2660 v1(3280,2660)
  Bottom Layer w10: v1(3140,2190) 3140,2270 3170,2300 3250,2300 3300,2350 3300,2640 v1(3280,2660)
"USART2 CK": J36.3 U1.20 | length 2121.7
  Top Layer w10: v1(2950,2810) 2880,2880 2880,3660 3000,3780 3000,4000 3050,4050 J36.3@3150,4050 ; U1.20@3061.42,2301.5 3061.42,2351.91 3051.14,2362.19 3051.14,2445.08 3092,2485.93 3092,2624.85 3121.24,2654.09 3121.24,2678.52 v1(3122.72,2680)
  Bottom Layer w10: v1(2950,2810) 2950,2740 2970,2720 3086.67,2720 3118.86,2687.81 3118.86,2685.95 3122.72,2682.09 v1(3122.72,2680)
"USART2 RX": J36.2 U1.17 | length 2245
  Top Layer w10: v1(2930,2790) 2850,2870 2850,3680 2960,3790 2960,4060 3048.43,4148.43 J36.2@3150,4148.43 ; U1.17@3002.36,2301.5 3002.36,2385.69 3037.14,2420.47 3037.14,2450.87 3078,2491.73 3078,2638 3100,2660 v1(3100,2680)
  Bottom Layer w10: v1(2930,2790) 2930,2730 2960,2700 3080,2700 v1(3100,2680)
"USART2 TX": J36.1 U1.16 | length 2294.8
  Top Layer w10: v1(2910,2770) 2820,2860 2820,3690 2930,3800 2930,4123.7 3053.15,4246.85 J36.1@3150,4246.85 ; U1.16@2931.5,2372.36 2961.51,2372.36 2966.29,2377.14 2967.2,2377.14 2991.14,2401.09 2991.14,2444.47 3050,2503.33 v1(3050,2680)
  Bottom Layer w10: v1(2910,2770) 2910,2710 2940,2680 v1(3050,2680)
USB_D_ESD_N: J34.2 U10.1 | length 158.2
  Top Layer w11.07: U10.1@4012.6,1950.59 4012.6,1938.39 4033.75,1917.24 4033.99,1917.24 4040.47,1910.76 4040.47,1878.15 4038.3,1875.98 4038.3,1840.16 4037.38,1839.24 4037.38,1808.64 J34.2@4035.04,1806.3
USB_D_ESD_P: J34.3 U10.3 | length 158.2
  Top Layer w11.07: J34.3@4060.63,1806.3 4058.29,1808.64 4058.29,1839.24 4057.37,1840.16 4057.37,1868.09 4059.53,1870.25 4059.53,1910.76 4066.02,1917.24 4066.25,1917.24 4087.4,1938.39 U10.3@4087.4,1950.59
USB_D_N: U1.44 U10.6 | length 971.9
  Top Layer w11.07: U1.44@3368.5,2588.9 3368.65,2589.04 3398.7,2589.04 3398.87,2589.21 3610.79,2589.21 3800,2400 4040.47,2159.53 4040.47,2089.24 4033.99,2082.76 4033.75,2082.76 4012.6,2061.61 U10.6@4012.6,2049.41
USB_D_P: U1.45 U10.4 | length 1003.5
  Top Layer w11.07: U1.45@3368.5,2608.58 3368.65,2608.44 3398.7,2608.44 3398.87,2608.27 3618.69,2608.27 3826.07,2400.9 4059.53,2167.43 4059.53,2089.24 4066.02,2082.76 4066.25,2082.76 4087.4,2061.61 U10.4@4087.4,2049.41
USB_ID: J34.4 U1.43 | length 1283.8
  Top Layer w10: U1.43@3368.5,2569.21 3519.21,2569.21 3528.43,2560 v1(3600,2560) ; v1(3692.19,2562.19) 3692.19,2561.14 4130,2123.33 4130,1900 4086.22,1856.22 J34.4@4086.22,1806.3
  Bottom Layer w10: v1(3600,2560) 3601.1,2561.1 3691.1,2561.1 v1(3692.19,2562.19)
pads on no net: J34.1 J34.6 J34.7 J34.8 J34.9 J34.10 J34.11 J35. J36. J37. P1.1 P1.2 P1.3 P1.4 P1.5 P1.6 P1.7 P1.8 S1.1 S1.4 S2. S2.4 S2.5 U1.1 U1.2 U1.3 U1.4 U1.8 U1.24 U1.25 U1.26 U1.27 U1.33 U1.35 U1.36 U1.37 U1.38 U1.42 U1.51 U1.52 U1.53 U1.54 U1.56 U1.57 U1.61 U1.62 U2.2 U3.22 U4.22 U5.21 U6.3 U6.4 U8.2 U8.3 U8.4 U8.5 U8.6 U8.7 U8.14 U8.15 U8.16 U8.17 U8.19 U8.21 U8.22
copper on no net:
  other v3: 2454.35,2348.35 2497.65,2348.35 2454.35,2391.65 2497.65,2391.65

## Polygon pours and split planes (outlines as drawn)
+7V2 on Top Layer "+7V2_L01_P022" (solid, pour order 22): 4725,1675 4725,2125 5025,2125 5075,2075 5075,1725 5025,1675
GND on Top Layer "GND_L01_P021" (solid, pour order 21): 4575,2125 4575,1675 4275,1675 4225,1725 4225,2075 4275,2125
GND on Top Layer "GND_L01_P020" (solid, pour order 20): 1725,1675 1725,2125 2025,2125 2075,2075 2075,1725 2025,1675
+7V2 on Top Layer "+7V2_L01_P019" (solid, pour order 19): 1575,2125 1575,1675 1275,1675 1225,1725 1225,2075 1275,2125
GND on Top Layer "GND_L01_P016" (solid, pour order 16): 2600,2239.43 cw(c2600.29,2119.72) 2720,2120 2720,1600 2640,1600 2640,2120 ccw(c2600,2120) 2600,2160 2520,2160 2520,2239.43
GND on Top Layer "GND_L01_P014" (solid, pour order 14): 2300,2240 ccw(c2300,2120) 2180,2120 2180,1600 2260,1600 2260,2120 cw(c2300,2120) 2300,2160 2400,2160 2400,2240
GND on Top Layer "GND_L01_P009" (solid, pour order 9): 3050,4800 3075,4775 3125,4775 3150,4800 3150,4850 3175,4875 3225,4875 3225,4950 3200,4975 3075,4975 3050,4950
+3V3 on Top Layer "+3V3_L01_P011" (solid, pour order 11): 3800,4675 3800,4450 3850,4400 4200,4400 4250,4450 4250,4750 4425,4750 4450,4775 4450,4850 4425,4875 4125,4875 4050,4950 3800,4950 3750,4900 3750,4725
+7V2 on Top Layer "+7V2_L01_P008" (solid, pour order 8): 3137.5,4787.5 3125,4775 3075,4775 3050,4800 3050,4949.14 3050,4950 3025,4975 2700,4975 2650,4925 2650,4700 2700,4650 2800,4650 2850,4600 2850,4500 2900,4450 3100,4450 3200,4550 3200,4675 3200,4725
GND on Top Layer "GND_L01_P006" (solid, pour order 6): 2350,4225 2300,4225 2225,4225 2175,4275 2175,4375 2200,4400 2400,4400 2425,4375 2425,4300
NetC21_2 on Top Layer "NETC21_2_L01_P007" (solid, pour order 7): 3150,4775 3150,4850 3175,4875 3400,4875 3475,4950 3625,4950 3675,4900 3675,4725 3625,4675 3250,4675
NetF1_2 on Top Layer "NETF1_2_L01_P002" (solid, pour order 2): 1550,4975 1550,4650 2000,4650 2050,4700 2050,4925 2000,4975
"PWR MON" on Top Layer "PWR_MON_L01_P003" (solid, pour order 3): 2175,4650 2125,4700 2125,4925 2175,4975 2500,4975 2550,4925 2550,4700 2500,4650
no net on Top Layer "NONET_L01_P001" (solid, pour order 1): 2050,4925 2025,4925
GND on Int1 (GND) "Int1 (GND)-GND" (solid, pour order 29): 3000,2620 3000,2540 2760,2540 2740,2520 2460,2520 2462.17,2517.83 2462.17,2400 2440,2377.83 2440,2240 2120,2240 2120,1600 5100,1600 5100,5000 1200,5000 1200,1600 2110,1600 2110,2240 2040,2240 2040,2500 2360,2500 2360,2380 2420,2380 2440,2400 2440,2740 2760,2740 2880,2620
GND on Int1 (GND) "GND_L02_P030" (solid, pour order 30): 2460,2540 2460,2720 2760,2720 2880,2600 2980,2600 2980,2560 2740,2560 2720,2540
GND on Int1 (GND) "GND_L02_P024" (solid, pour order 24): 2060,2280 2420,2280 2420,2360 2340,2360 2340,2480 2060,2480
+3V3 on Int2 (PWR) "+3V3_L03_P032" (solid, pour order 32): 2100,1600 cw(c2100,1700) 2000,1700 2000,4600 cw(c2100,4600) 2100,4700 2700,4700 cw(c2700,4600) 2800,4600 2800,4500 ccw(c2900,4500) 2900,4400 3200,4400 ccw(c3200,4500) 3300,4500 3300,4600 cw(c3400,4600) 3400,4700 4200,4700 cw(c4200,4600) 4300,4600 4300,1700 cw(c4200,1700) 4200,1600
+7V2 on Int2 (PWR) "+7V2_L03_P031" (solid, pour order 31): 4400,1600 cw(c4400,1700) 4300,1700 4300,4600 ccw(c4200,4600) 4200,4700 3400,4700 ccw(c3400,4600) 3300,4600 3300,4500 cw(c3200,4500) 3200,4400 2900,4400 cw(c2900,4500) 2800,4500 2800,4600 ccw(c2700,4600) 2700,4700 2100,4700 ccw(c2100,4600) 2000,4600 2000,1700 cw(c1900,1700) 1900,1600 1200,1600 1200,5000 5100,5000 5100,1600

## Silkscreen, mask and mechanical layers (free items; w line width, h text height)
Mechanical 1:
  the board outline again, w10

## Text inside footprints (layer, text, board x,y; h text height)
J34: Mechanical 1 "PCB EDGE" at 3777.17,1638.98 h11.81
P1: Top Overlay "2" at 3445.67,3514.57 h40 r180; Top Overlay "1" at 3433.86,3620.87 h40 r180; Top Overlay "9" at 2881.89,3620.87 h40 r180; Top Overlay "10" at 2881.89,3514.57 h40 r180